# Allegro board RK_NVR_DEMO_RK3568_DDR4P216SD4_V12_20201221YWQ_final.brd (continued)
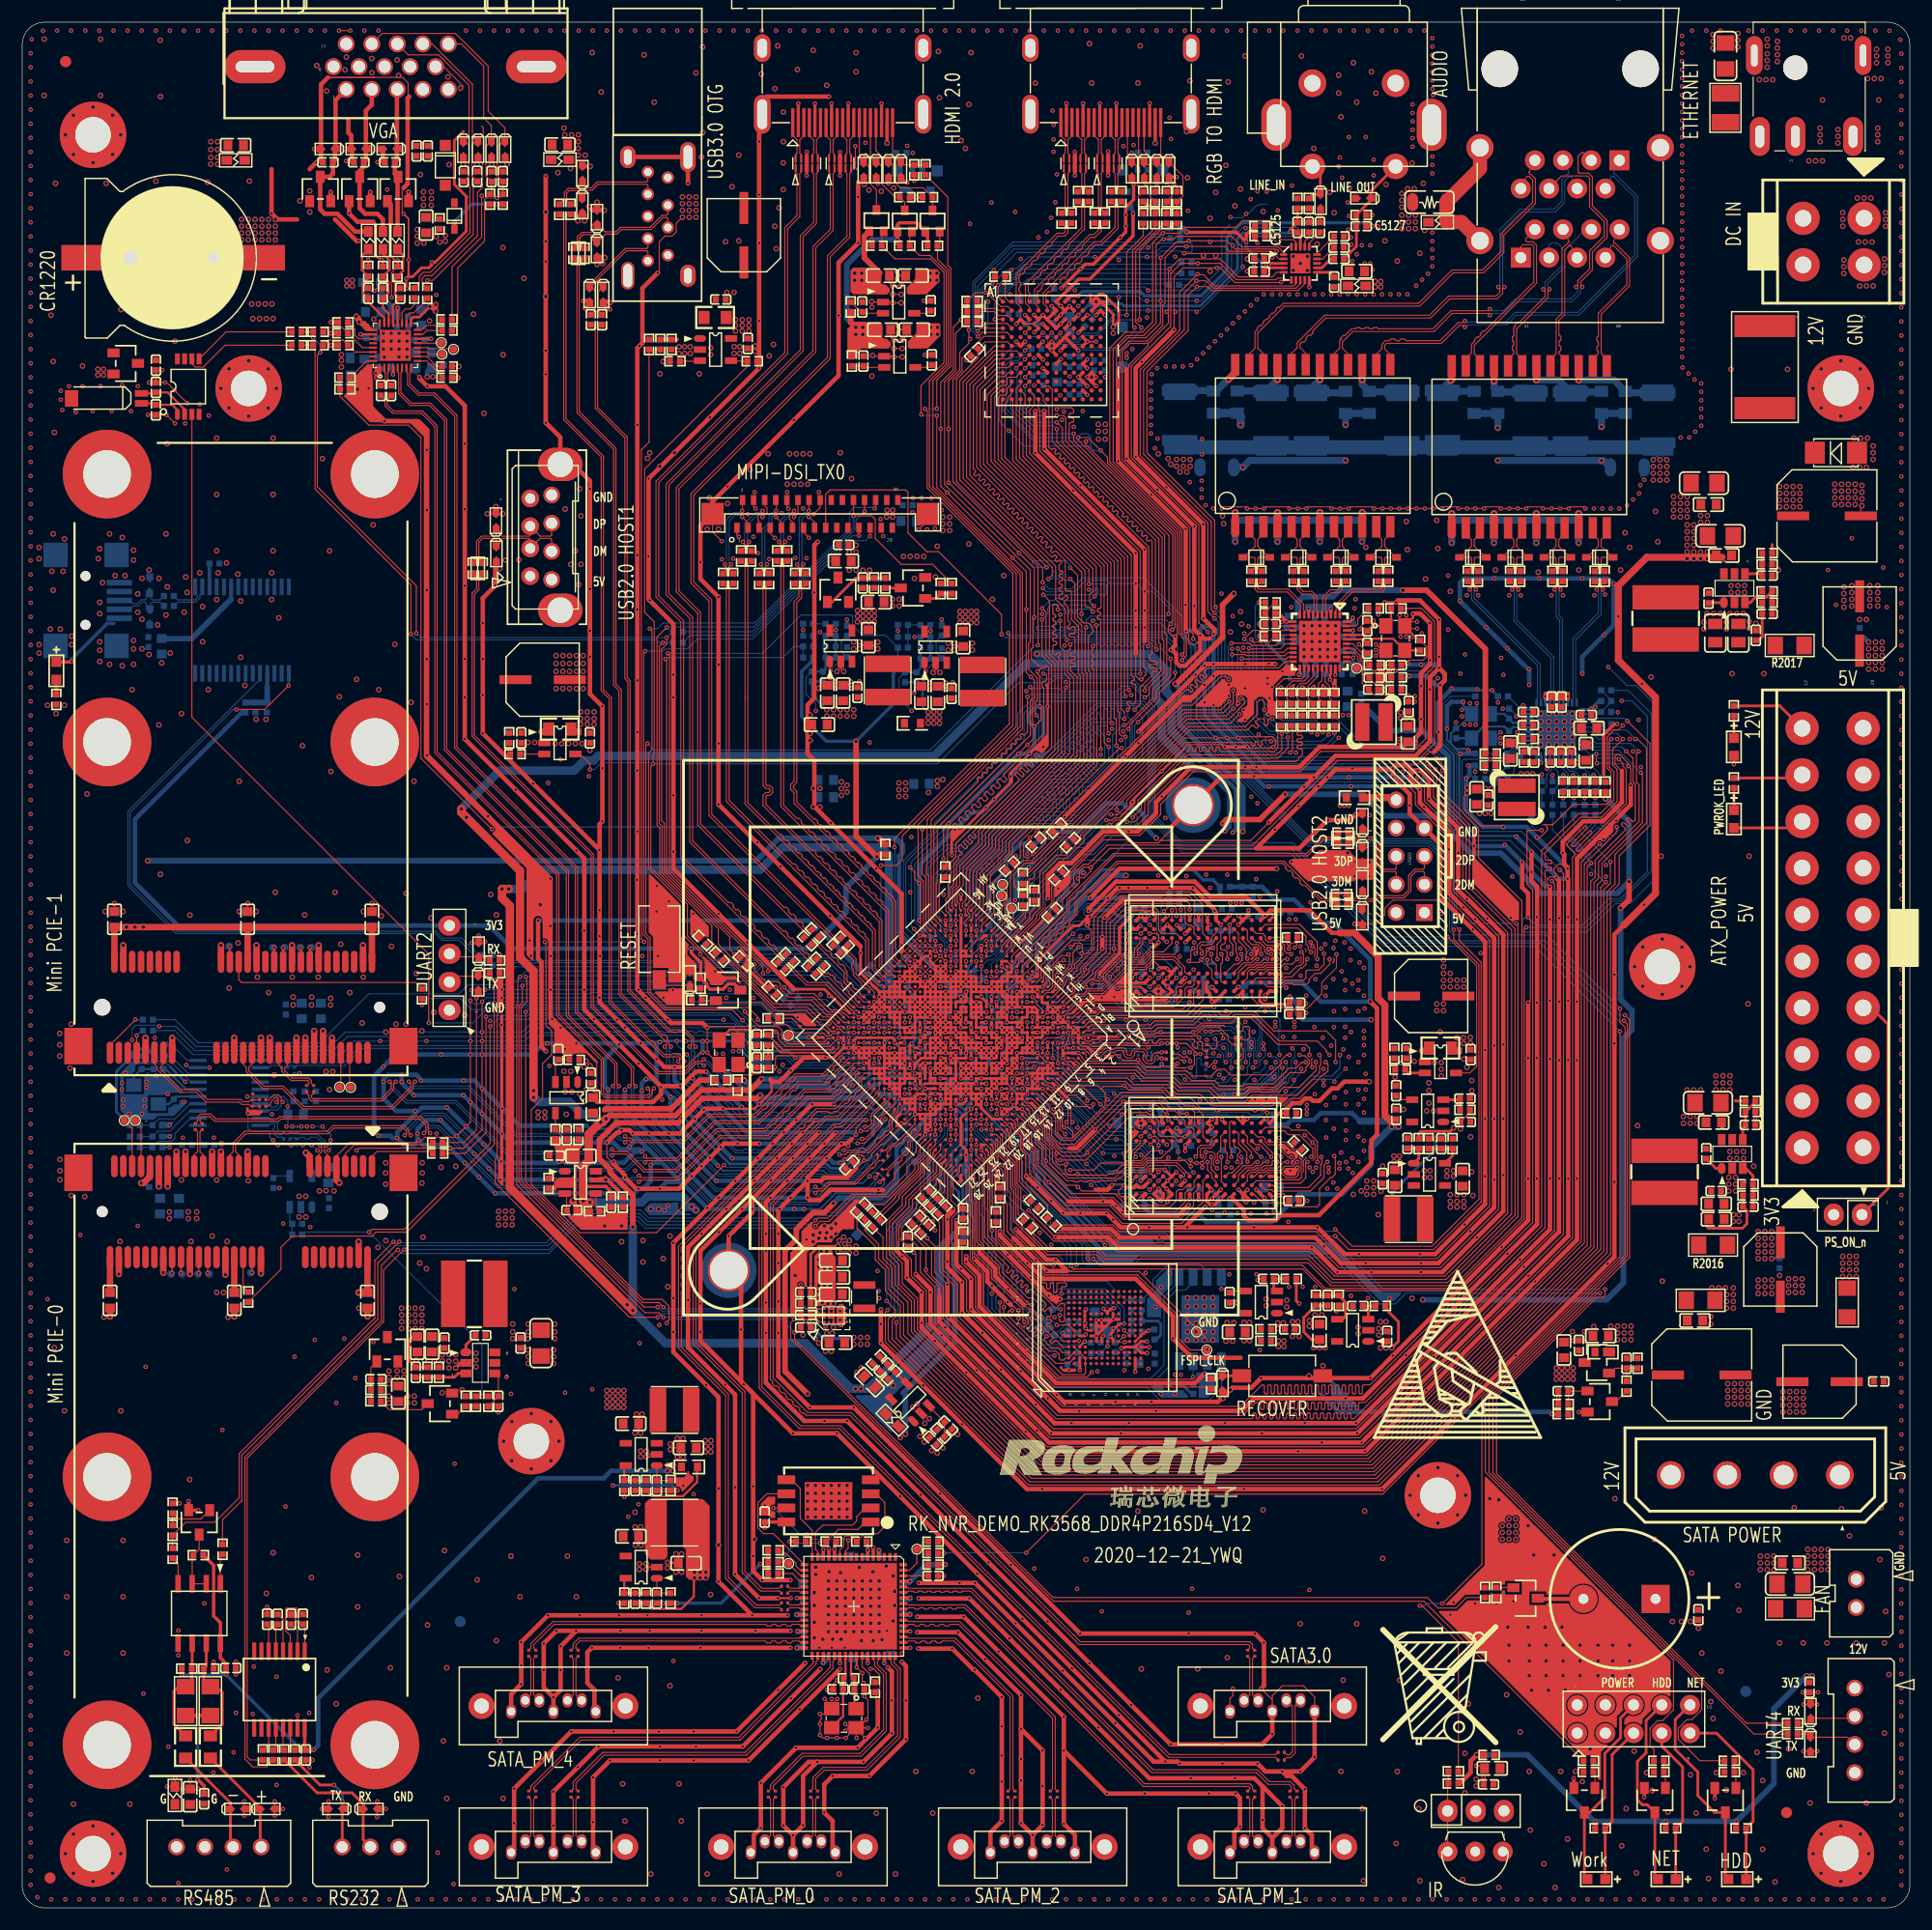
[diagram p0: board, top side]
## Routing (per net, layer and track width the routed paths; a pad name or vN(x,y) marks a point on that pad's centre or on a via; arc(x,y) is an arc through that point) (continued)
MIPI_DSI_TX0_CLKN/LVDS_TX0_CLKN: length 41.6
  TOP w0.097: R5209.2 66.76,119.02 66.76,101.16 67,100.92 67.27,100.92 67.37,100.82 67.37,100.63 67.27,100.53 67,100.53 66.76,100.29 66.76,99.36 77.22,88.9 77.22,84.86 77.98,84.1 78.46,84.1 U1000.AG15
MIPI_DSI_TX0_CLKP: length 7.3
  TOP w0.097: J5200.9 68.4,124.89 v1(67.92,125.37)
  TOP w0.102: v1(67.12,121.1) 66.98,120.96 66.98,120.61 R5210.2
  BOTTOM w0.097: v1(67.92,125.37) 67.77,125.53 67.63,125.53 67.53,125.43 67.53,124.74 66.92,124.12 66.92,121.31 v1(67.12,121.1)
MIPI_DSI_TX0_CLKP/LVDS_TX0_CLKP: length 41.8
  TOP w0.097: R5210.1 67.01,119.08 67.01,101.26 67.1,101.17 67.37,101.17 67.61,100.92 67.61,100.52 67.37,100.28 67.1,100.28 67.01,100.19 67.01,99.47 71.12,95.36 71.32,95.36 71.52,95.15 71.52,94.95 71.73,94.74 71.93,94.74 72.14,94.54 72.14,94.33 72.34,94.13 72.54,94.13 72.75,93.93 72.75,93.72 72.95,93.52 73.16,93.52 73.36,93.31 73.36,93.11 73.57,92.9 73.77,92.9 73.97,92.7 73.97,92.5 74.18,92.29 74.38,92.29 74.59,92.09 74.59,91.88 74.79,91.68 75,91.68 75.2,91.47 75.2,91.27 75.4,91.07 75.61,91.07 75.81,90.86 75.81,90.66 76.02,90.45 76.22,90.45 76.43,90.25 76.43,90.05 76.63,89.84 76.83,89.84 77.04,89.64 77.04,89.43 77.47,89 77.47,84.96 78.02,84.41 U1000.AH15
MIPI_DSI_TX0_D0N: length 7.8
  TOP w0.097: v1(63.32,121.1) 63.43,120.99 63.43,120.57 R5205.1 ; J5200.2 64.9,125.95 v1(64.87,125.93)
  BOTTOM w0.097: v1(64.87,125.93) 64.72,125.78 64.11,125.78 63.45,125.12 63.45,121.24 v1(63.32,121.1)
MIPI_DSI_TX0_D0N/LVDS_TX0_D0N: length 42.6
  TOP w0.097: R5205.2 63.45,119.07 63.45,117.35 63.45,99.72 76,87.17 76,84.26 77.09,83.18 77.54,83.18 U1000.AG17
MIPI_DSI_TX0_D0P: length 7.7
  TOP w0.097: J5200.3 65.4,124.85 v1(64.87,125.37)
  TOP w0.102: R5206.2 63.69,120.65 63.69,120.92 v1(63.87,121.1)
  BOTTOM w0.097: v1(64.87,125.37) 64.72,125.53 64.21,125.53 63.7,125.02 63.7,121.27 v1(63.87,121.1)
MIPI_DSI_TX0_D0P/LVDS_TX0_D0P: length 43
  TOP w0.097: U1000.AH17 77.13,83.49 76.25,84.37 76.25,87.27 75.96,87.57 75.96,87.77 75.75,87.98 75.55,87.98 75.34,88.18 75.34,88.38 75.14,88.59 74.94,88.59 74.73,88.79 74.73,89 74.53,89.2 74.32,89.2 74.12,89.41 74.12,89.61 73.91,89.81 73.71,89.81 73.51,90.02 73.51,90.22 73.3,90.43 73.1,90.43 72.89,90.63 72.89,90.84 72.69,91.04 72.48,91.04 72.28,91.25 72.28,91.45 72.08,91.65 71.87,91.65 71.67,91.86 71.67,92.06 71.46,92.27 71.26,92.27 71.05,92.47 71.05,92.67 70.85,92.88 70.65,92.88 70.44,93.08 70.44,93.29 70.24,93.49 70.03,93.49 69.83,93.7 69.83,93.9 69.62,94.1 69.42,94.1 63.7,99.83 63.7,117.35 63.7,119.02 R5206.1
MIPI_DSI_TX0_D1N: length 6.5
  TOP w0.097: v1(66.7,125.93) 66.29,125.52 66.29,125.07 66.4,124.96 J5200.5
  TOP w0.102: v1(64.94,123.14) 65.09,122.99 65.09,122.63 R5207.2
  BOTTOM w0.097: v1(66.7,125.93) 66.55,125.78 66.09,125.78 65.09,124.78 65.09,123.29 v1(64.94,123.14)
MIPI_DSI_TX0_D1N/LVDS_TX0_D1N: length 43.7
  TOP w0.097: R5207.1 65.13,121.05 65.13,109.12 65.13,109.12 65.13,99.51 76.61,88.03 76.61,84.57 77.57,83.61 78.03,83.61 U1000.AG16
MIPI_DSI_TX0_D1P: length 6.2
  TOP w0.097: v1(65.49,123.14) 65.35,122.99 65.35,122.65 R5208.1 ; v1(66.7,125.37) 67.11,125.78 67.11,126.19 66.9,126.39 J5200.6
  BOTTOM w0.097: v1(66.7,125.37) 66.55,125.53 66.19,125.53 65.34,124.68 65.34,123.29 v1(65.49,123.14)
MIPI_DSI_TX0_D1P/LVDS_TX0_D1P: length 44.1
  TOP w0.097: R5208.2 65.38,121.11 65.38,109.02 65.38,99.62 68.21,96.78 68.37,96.78 68.57,96.58 68.57,96.42 68.78,96.22 68.93,96.22 69.14,96.01 69.14,95.86 69.34,95.65 69.5,95.65 69.7,95.45 69.7,95.29 69.91,95.09 70.06,95.09 70.27,94.88 70.27,94.73 70.47,94.52 70.63,94.52 70.83,94.32 70.83,94.16 71.04,93.96 71.2,93.96 71.4,93.75 71.4,93.59 71.6,93.39 71.76,93.39 71.97,93.19 71.97,93.03 72.17,92.82 72.33,92.82 72.53,92.62 72.53,92.46 72.74,92.26 72.89,92.26 73.1,92.05 73.1,91.9 73.3,91.69 73.46,91.69 73.66,91.49 73.66,91.33 73.87,91.13 74.02,91.13 74.23,90.92 74.23,90.77 74.43,90.56 74.59,90.56 74.79,90.36 74.79,90.2 75,90 75.15,90 75.36,89.79 75.36,89.64 75.56,89.43 75.72,89.43 75.92,89.23 75.92,89.07 76.13,88.87 76.28,88.87 76.49,88.66 76.49,88.51 76.86,88.13 76.86,84.67 77.58,83.95 U1000.AH16
MIPI_DSI_TX0_D2N: length 6.4
  TOP w0.097: J5200.11 69.4,124.91 69.14,125.17 69.14,125.52 v1(69.55,125.93)
  TOP w0.102: v1(68.19,123.14) 68.34,122.99 68.34,122.63 R5211.2
  BOTTOM w0.097: v1(69.55,125.93) 69.39,125.78 69.03,125.78 68.35,125.09 68.35,123.3 v1(68.19,123.14)
MIPI_DSI_TX0_D2N/LVDS_TX0_D2N: length 41.8
  TOP w0.097: R5211.1 68.35,121.08 68.35,99.29 77.83,89.81 77.83,85.2 78.62,84.41 U1000.AG14
MIPI_DSI_TX0_D2P: length 5.8
  TOP w0.097: J5200.12 69.9,125.73 v1(69.55,125.37) ; R5212.1 68.6,122.65 68.6,122.99 v1(68.75,123.14)
  BOTTOM w0.097: v1(69.55,125.37) 69.39,125.53 69.13,125.53 68.6,124.99 68.6,123.28 v1(68.75,123.14)
MIPI_DSI_TX0_D2P/LVDS_TX0_D2P: length 42.4
  TOP w0.097: U1000.AH14 78.52,84.87 78.08,85.31 78.08,89.92 77.56,90.44 77.56,90.64 77.35,90.85 77.15,90.85 76.94,91.05 76.94,91.25 76.74,91.46 76.54,91.46 76.33,91.66 76.33,91.87 76.13,92.07 75.92,92.07 75.72,92.28 75.72,92.48 75.51,92.68 75.31,92.68 75.11,92.89 75.11,93.09 74.9,93.3 74.7,93.3 74.49,93.5 74.49,93.7 74.29,93.91 74.09,93.91 73.88,94.11 73.88,94.32 73.68,94.52 73.47,94.52 73.27,94.73 73.27,94.93 73.06,95.14 72.86,95.14 72.66,95.34 72.66,95.54 72.45,95.75 72.25,95.75 72.04,95.95 72.04,96.16 71.84,96.36 71.64,96.36 71.43,96.57 71.43,96.77 71.23,96.97 71.02,96.97 70.82,97.18 70.82,97.38 70.61,97.59 70.41,97.59 70.2,97.79 70.2,97.99 70,98.2 69.8,98.2 68.6,99.39 68.6,121.08 R5212.2
MIPI_DSI_TX0_D3N: length 7.4
  TOP w0.097: v1(69.82,121.1) 69.97,120.95 69.97,120.61 R5213.1 ; J5200.14 70.9,125.96 v1(70.87,125.93)
  BOTTOM w0.097: v1(69.82,121.1) 70.02,121.31 70.02,125.32 70.47,125.78 70.71,125.78 v1(70.87,125.93)
MIPI_DSI_TX0_D3N/LVDS_TX0_D3N: length 39.5
  TOP w0.097: R5213.2 69.98,119.05 69.98,118.19 69.55,117.75 69.55,101.56 69.24,101.25 69.24,100.82 69.55,100.52 69.55,99.57 78.44,90.67 78.44,85.52 78.8,85.15 78.8,85.15 79.08,84.87 U1000.AG13
MIPI_DSI_TX0_D3P: length 7.2
  TOP w0.097: J5200.15 71.4,124.88 70.91,125.37 v1(70.87,125.37)
  TOP w0.102: R5214.2 70.5,120.28 70.23,120.55 70.23,120.96 v1(70.37,121.1)
  BOTTOM w0.097: v1(70.87,125.37) 70.71,125.53 70.58,125.53 70.27,125.22 70.27,121.21 v1(70.37,121.1)
MIPI_DSI_TX0_D3P/LVDS_TX0_D3P: length 39.7
  TOP w0.097: U1000.AH13 78.98,85.33 78.69,85.62 78.69,90.78 78.45,91.02 78.45,91.17 78.24,91.38 78.09,91.38 77.88,91.58 77.88,91.74 77.68,91.94 77.52,91.94 77.32,92.15 77.32,92.3 77.11,92.51 76.96,92.51 76.75,92.71 76.75,92.87 76.55,93.07 76.39,93.07 76.19,93.28 76.19,93.44 75.98,93.64 75.83,93.64 75.62,93.84 75.62,94 75.42,94.21 75.26,94.21 75.06,94.41 75.06,94.57 74.85,94.77 74.69,94.77 74.49,94.98 74.49,95.13 74.28,95.34 74.13,95.34 73.92,95.54 73.92,95.7 73.72,95.9 73.56,95.9 73.36,96.11 73.36,96.26 73.15,96.47 73,96.47 72.79,96.67 72.79,96.83 72.59,97.03 72.43,97.03 72.23,97.24 72.23,97.39 72.02,97.6 71.87,97.6 71.66,97.8 71.66,97.96 71.46,98.16 71.3,98.16 69.79,99.67 69.79,100.62 69.49,100.92 69.49,101.15 69.79,101.46 69.79,117.65 70.23,118.09 70.23,119.05 R5214.1
PCIE30_AVDD0V9: length 11.1
  TOP w0.508: R1408.2 61.07,74.62 58.48,72.03 52.58,72.03 52.48,71.93
PCIE30_AVDD_0V9: length 21.1
  TOP w0.254: U1000.U20 v1(80.45,77.06) U1000.U21
  TOP w0.508: R1408.1 R1407.1 65.03,74.62 v2(65.07,74.57)
  BOTTOM w0.203: 79.29,76.52 79.29,76.77 79.83,77.31 80.16,77.31 80.42,77.06 v1(80.45,77.06)
  BOTTOM w0.254: v1(80.45,77.06) 80.61,76.89 C1412.1 ; 79.29,76.52 78.59,75.82 78.59,75.56 78.32,75.28 77.59,75.28 77.05,74.74 76.54,74.74 75.86,74.05 75.63,74.05 75.44,73.86
  BOTTOM w0.457: 75.44,73.86 75.2,73.62 72.91,73.62 72.55,73.98
  BOTTOM w0.508: 72.55,73.98 C1413.1 72.35,74.07 65.58,74.07 v2(65.07,74.57)
PCIE30_AVDD_1V8: length 4.6
  TOP w0.254: U1000.U22 v1(79.99,75.68)
  BOTTOM w0.254: 77.85,74.85 77.93,74.93 79.07,74.93 C1414.1 79.59,75.45 C1411.1 79.78,75.68 v1(79.99,75.68)
  BOTTOM w0.406: R1410.1 76.81,74.22 77.14,74.22 77.77,74.85 77.85,74.85
PCIE30_REFCLKN_IN: length 57.5
  TOP w0.097: U1000.AA25 v1(76.77,76.14)
  BOTTOM w0.097: 46.84,78.89 45.67,77.72 30.53,77.72 28.99,76.18 24.7,76.18 R8528.1 24.38,76.18 24.1,76.18 R8526.2 ; v1(76.77,76.14) 76.77,76.02 76.69,75.94 76.19,75.94 76.05,75.79 75.64,75.79 75.53,75.91 72.88,75.91 72.59,76.2 69.55,76.2 68.94,76.81 66.09,76.81 66.09,76.81
  BOTTOM w0.102: 46.84,78.89 51.68,78.89 51.84,79.04 52.14,79.04 52.29,78.89 52.6,78.89 52.75,79.04 53.06,79.04 53.21,78.89 53.51,78.89 53.67,79.04 53.97,79.04 54.12,78.89 54.43,78.89 54.58,79.04 54.89,79.04 55.04,78.89 55.34,78.89 55.49,79.04 55.8,79.04 55.95,78.89 56.26,78.89 56.41,79.04 56.71,79.04 56.87,78.89 57.17,78.89 57.32,79.04 57.63,79.04 57.78,78.89 58.09,78.89 58.24,79.04 58.54,79.04 58.7,78.89 59,78.89 59.15,79.04 59.46,79.04 59.61,78.89 59.91,78.89 60.07,79.04 60.37,79.04 60.52,78.89 60.83,78.89 60.98,79.04 61.29,79.04 61.44,78.89 64,78.89 66.09,76.81
PCIE30_REFCLKP_IN: length 57.1
  TOP w0.097: U1000.Y25 v1(77.23,76.6)
  BOTTOM w0.097: 46.94,78.64 46.94,78.64 45.77,77.48 30.63,77.48 29.09,75.93 24.7,75.93 R8529.1 24.38,75.93 24.1,75.93 R8525.2 ; v1(77.23,76.6) 77.13,76.5 77.13,76.03 76.79,75.69 76.3,75.69 76.15,75.54 75.54,75.54 75.42,75.66 72.78,75.66 72.49,75.95 69.44,75.95 68.83,76.56 66.09,76.56 65.98,76.56 65.92,76.62 65.92,76.62 65.91,76.63
  BOTTOM w0.102: 65.91,76.63 63.9,78.64 46.94,78.64
PCIE30_RESREF: length 0.9
  TOP w0.254: U1000.U19 v1(81.36,77.98)
  BOTTOM w0.254: R1406.1 81.47,77.87 v1(81.36,77.98)
PCIE30_RX0N: length 66.5
  TOP w0.102: v1(34.46,69.65) 34.63,69.81 34.63,70 34.34,70.29 28.07,70.29 27.57,69.78 20.15,69.78 19.22,68.85 19.22,68.16 19.51,67.87 J8500.23 ; U1000.AC27 74.5,76.6 72.38,74.47 69.9,74.47 66.37,70.93 62.34,70.93 58.99,67.58 56.3,67.58 v1(56.13,67.75)
  BOTTOM w0.102: v1(56.13,67.75) 55.97,67.58 55.34,67.58 54.41,66.65 43.06,66.65 38.08,71.63 36.12,71.63 34.63,70.14 34.63,69.81 v1(34.46,69.65)
PCIE30_RX0P: length 66.6
  TOP w0.102: v1(35.01,69.65) 34.85,69.81 34.85,70.09 34.43,70.51 27.98,70.51 27.48,70 20.06,70 19,68.94 19,68.16 18.71,67.87 J8500.25 ; U1000.AC28 74.36,76.14 72.47,74.25 70,74.25 69.86,74.12 69.86,73.88 69.65,73.66 69.41,73.66 69.19,73.45 69.19,73.2 68.97,72.99 68.73,72.99 66.46,70.71 62.43,70.71 59.08,67.36 56.3,67.36 v1(56.13,67.2)
  BOTTOM w0.102: v1(35.01,69.65) 34.85,69.81 34.85,70.05 36.21,71.41 37.99,71.41 42.97,66.43 54.5,66.43 55.43,67.36 55.97,67.36 v1(56.13,67.2)
PCIE30_RX1N: length 64.7
  TOP w0.102: J8501.23 19.91,76.06 20.2,75.77 20.2,75.35 21.7,73.85 23.43,73.85 25.26,72.02 33.37,72.02 35.22,73.87 35.22,74.31 v1(35.39,74.47) ; v1(54.32,69.56) 54.32,69.49 54.43,69.39 54.8,69.39 54.99,69.21 59.5,69.21 61.83,71.54 66.01,71.54 69.65,75.18 72.17,75.18 74.04,77.06 U1000.AD27
  BOTTOM w0.102: v1(54.32,69.56) 54.18,69.41 53.88,69.41 53.53,69.77 44.56,69.77 40.25,74.08 35.35,74.08 35.24,74.19 35.24,74.33 v1(35.39,74.47)
PCIE30_RX1P: length 64.6
  TOP w0.102: U1000.AD28 73.9,76.6 73.74,76.44 73.74,76.23 73.52,76.01 73.31,76.01 73.1,75.8 73.1,75.58 72.88,75.37 72.67,75.37 72.26,74.96 69.74,74.96 69.65,74.87 69.65,74.68 69.44,74.47 69.25,74.47 69.03,74.25 69.03,74.06 68.82,73.84 68.63,73.84 68.41,73.63 68.41,73.44 68.19,73.22 68,73.22 67.79,73.01 67.79,72.82 67.57,72.6 67.38,72.6 67.17,72.39 67.17,72.2 66.95,71.98 66.76,71.98 66.1,71.32 61.93,71.32 59.59,68.99 54.9,68.99 54.71,69.17 54.44,69.17 54.33,69.07 54.33,69.01 54.33,69.01 v1(54.32,69.01) ; v1(34.84,74.47) 35,74.31 35,73.96 33.27,72.24 25.35,72.24 23.52,74.07 21.79,74.07 20.42,75.44 20.42,75.77 20.71,76.06 J8501.25
  BOTTOM w0.102: v1(54.32,69.01) 54.14,69.19 53.79,69.19 53.43,69.55 44.47,69.55 40.15,73.86 35.25,73.86 35.02,74.09 35.02,74.28 v1(34.84,74.47)
PCIE30_TX0_N: length 3.5
  TOP w0.102: J8500.31 16.31,67.87 16.02,68.16 16.02,69.94 C8500.2
PCIE30_TX0_P: length 3.5
  TOP w0.102: J8500.33 15.51,67.87 15.8,68.16 15.8,69.94 C8501.2
PCIE30_TX0N: length 69.1
  TOP w0.102: U1000.AA27 75.42,75.68 72.9,73.15 70.76,73.15 67.22,69.61 62.85,69.61 59.06,65.82 55.74,65.82 v1(55.56,66) ; C8500.1 16.02,70.9 16.02,71.19 16.15,71.32 16.92,71.32 17.34,70.9 23.1,70.9 23.31,71.1 35.82,71.1 36.37,70.56 36.37,70 v1(36.2,69.83)
  BOTTOM w0.102: v1(55.56,66) 55.4,65.84 54.91,65.84 54.2,65.13 42.93,65.13 37.55,70.51 36.62,70.51 36.37,70.26 36.37,70 v1(36.2,69.83)
PCIE30_TX0P: length 69.2
  TOP w0.102: U1000.AA28 75.27,75.22 75.04,74.99 75.04,74.79 74.83,74.57 74.63,74.57 74.41,74.36 74.41,74.16 74.2,73.95 74,73.95 73.79,73.73 73.79,73.53 73.57,73.32 73.37,73.32 72.99,72.93 70.85,72.93 67.31,69.39 62.94,69.39 59.15,65.6 55.71,65.6 v1(55.56,65.45) ; v1(36.76,69.83) 36.59,70 36.59,70.65 35.92,71.32 23.22,71.32 23.01,71.12 17.43,71.12 17.01,71.54 16.06,71.54 15.8,71.28 15.8,70.9 C8501.1
  BOTTOM w0.102: v1(55.56,65.45) 55.4,65.62 55,65.62 54.29,64.9 42.84,64.9 37.46,70.29 36.71,70.29 36.59,70.17 36.59,70 v1(36.76,69.83)
PCIE30_TX1_N: length 5
  TOP w0.102: C8507.2 25.84,74.33 25.84,74.47 25.74,74.57 24.23,74.57 23.4,75.41 23.4,75.7 23.11,75.99 J8501.31
PCIE30_TX1_P: length 5
  TOP w0.102: C8508.2 26.06,74.33 26.06,74.56 25.83,74.8 24.32,74.8 23.62,75.5 23.62,75.7 23.91,75.99 J8501.33
PCIE30_TX1N: length 59.4
  TOP w0.102: v1(33.66,74.47) 33.46,74.27 33.46,73.74 32.44,72.73 26.07,72.73 25.84,72.96 25.84,73.22 25.63,73.43 C8507.1 ; v1(53.14,68.38) 53.14,68.33 53.29,68.17 54.51,68.17 56.12,66.57 58.89,66.57 62.54,70.22 66.86,70.22 70.4,73.76 72.59,73.76 74.96,76.14 U1000.AB27
  BOTTOM w0.102: v1(33.66,74.47) 33.49,74.31 33.49,73.95 34.68,72.76 39.1,72.76 43.69,68.17 52.88,68.17 53.09,68.38 v1(53.14,68.38)
PCIE30_TX1P: length 59.1
  TOP w0.102: v1(33.11,74.47) 33.24,74.35 33.24,73.83 32.35,72.95 26.16,72.95 26.06,73.05 26.06,73.22 26.26,73.43 C8508.1 ; v1(53.14,67.82) 53.14,67.85 53.24,67.95 54.42,67.95 56.02,66.34 58.98,66.34 62.64,70 66.96,70 67.6,70.64 67.75,70.64 67.96,70.86 67.96,71.01 68.18,71.23 68.33,71.23 68.55,71.44 68.55,71.59 68.76,71.81 68.91,71.81 69.13,72.02 69.13,72.17 69.34,72.39 69.49,72.39 69.71,72.6 69.71,72.76 69.92,72.97 70.08,72.97 70.29,73.19 70.29,73.34 70.49,73.54 72.68,73.54 73.02,73.88 73.22,73.88 73.43,74.09 73.43,74.3 73.65,74.51 73.85,74.51 74.07,74.73 74.07,74.93 74.28,75.14 74.48,75.14 74.7,75.36 74.7,75.56 74.81,75.68 U1000.AB28
  BOTTOM w0.102: v1(53.14,67.82) 53.09,67.82 52.96,67.95 43.6,67.95 39.01,72.54 34.59,72.54 33.27,73.86 33.27,74.31 v1(33.11,74.47)
PCIE30X1_CLKREQN_3V3_L: length 2.3
  TOP w0.102: J8501.7 v1(10.31,78.64)
  BOTTOM w0.102: R8504.2 10.75,79.08 v1(10.31,78.64)
PCIE30X1_CLKREQN_M0: length 70.7
  TOP w0.102: U1000.Y22 v1(78.15,77.52)
  BOTTOM w0.089: v1(78.15,77.52) 77.69,77.52 77.55,77.65 77.36,77.84 77.09,77.84 76.81,77.56 75.6,76.35 74.64,76.35 74.46,76.53 73.13,76.53 72.04,77.62 71.9,77.62
  BOTTOM w0.102: 71.9,77.62 66.44,77.62 65.78,78.28 65.57,78.28 64.15,79.7 46.32,79.7 45.15,78.54 29.31,78.54 28.05,77.28 15.54,77.28 13.75,79.08 R8504.1
PCIE30X1_PERSTN_3V3_L: length 18.5
  TOP w0.102: J8501.22 19.51,83.67 19.77,83.41 35.45,83.41 R8505.2
PCIE30X1_PERSTN_M0: length 43.5
  TOP w0.102: R8505.1 v1(36.02,81.38) ; v1(75.39,79.35) U1000.AE23
  BOTTOM w0.089: v1(75.39,79.35) 75.39,78.79 75.13,78.54 74.83,78.54 74.55,78.82 74.14,78.82 72.81,80.15
  BOTTOM w0.102: v1(36.02,81.38) 36.61,81.97 39.49,81.97 40.49,80.98 41.52,80.98 42.23,81.69 66.7,81.69 67.92,80.47 69.55,80.47 69.75,80.67 72.29,80.67 72.81,80.15
PCIE30X1_WAKEN_3V3_L: length 4.6
  TOP w0.102: v1(10.21,80.06) 7.91,77.76 J8501.1
  BOTTOM w0.102: R8503.2 v1(10.21,80.06)
PCIE30X1_WAKEN_M0: length 67.6
  TOP w0.102: U1000.AG23 74.47,80.27 74.13,80.62 73.95,80.62 73.64,80.94 72.83,80.94 71.37,82.4 69.24,82.4 v1(68.65,82.98)
  BOTTOM w0.102: R8503.1 13.77,80.06 15.84,77.99 26.83,77.99 31.24,82.4 39.37,82.4 40.18,83.21 43.74,83.21 44.04,83.51 68.12,83.51 v1(68.65,82.98)
PCIE30X2_CLKREQN_3V3_L: length 9.4
  TOP w0.102: J8500.7 29.11,66.86 29.11,67.97 29.92,68.78 36.79,68.78 R8500.2
PCIE30X2_CLKREQN_M0: length 51.8
  TOP w0.102: R8500.1 39.78,68.99 40.93,70.14 v1(40.93,81.99) ; U1000.AE24 v1(74.93,78.89)
  BOTTOM w0.089: 72.99,80.33 73.97,79.35
  BOTTOM w0.102: 72.99,80.33 72.34,80.98 69.65,80.98 69.44,80.77 68.12,80.77 66.5,82.39 56.74,82.39 56.64,82.5 55.94,82.5 55.81,82.37 52.4,82.37 52.27,82.5 51.26,82.5 51.16,82.39 41.33,82.39 v1(40.93,81.99) ; 73.97,79.35 74.3,79.02 74.81,79.02 v1(74.93,78.89)
PCIE30X2_PERSTN_3V3_L: length 3.3
  TOP w0.102: R8502.2 19.91,55.98 J8500.22
PCIE30X2_PERSTN_M0: length 82.4
  TOP w0.102: v1(42.54,83.64) 42.52,83.62 42.52,68.78 34.65,60.91 31.88,60.91 31.52,60.55 24.33,60.55 23.32,59.54 23.32,57.56 R8502.1 ; U1000.AD20 v1(77.23,80.27)
  BOTTOM w0.089: 75.04,82.39 75.32,82.11 75.85,82.11 77.09,80.87 77.09,80.41 v1(77.23,80.27)
  BOTTOM w0.102: 75.04,82.39 72.23,85.19 66.64,85.19 66.14,84.69 64.77,84.69 64.47,84.99 58.52,84.99 58.37,84.84 44.45,84.84 43.26,83.64 v1(42.54,83.64)
PCIE30X2_WAKEN_3V3_L: length 6.6
  TOP w0.102: R8501.2 36.82,68.17 31.95,68.17 31.51,67.73 J8500.1
PCIE30X2_WAKEN_M0: length 54.6
  TOP w0.102: v1(41.79,80.34) 41.79,69.88 39.91,68 R8501.1 ; U1000.AC21 v1(77.23,79.35)
  BOTTOM w0.089: 71.5,78.03 72.32,78.03 73.35,77 74.53,77 74.8,76.73 75.39,76.73 76.44,77.79 76.44,78.3 76.58,78.44 77.09,78.44 77.18,78.52 77.18,79.3 v1(77.23,79.35)
  BOTTOM w0.102: v1(41.79,80.34) 41.85,80.41 45.53,80.41 45.8,80.67 63.75,80.67 65.74,78.69 65.95,78.69 66.61,78.03 71.5,78.03
PCIE_PWREN_H_GPIO0_D4: length 88.8
  TOP w0.102: R8531.1 v1(41.43,46.11) R9605.1 ; v1(31.25,60.92) 31.49,61.16 34.42,61.16 42.16,68.91 v1(42.16,79.45) ; U1000.AB23 v1(76.77,77.98)
  BOTTOM w0.089: 71.7,77.83 72.26,77.83 73.3,76.78 74.47,76.78 74.72,76.54 75.46,76.54 76.77,77.85 v1(76.77,77.98)
  BOTTOM w0.102: 71.7,77.83 66.52,77.83 65.87,78.48 65.65,78.48 63.67,80.47 45.97,80.47 45.59,80.09 42.8,80.09 v1(42.16,79.45) ; v1(41.43,46.11) 41.43,50.73 v1(31.25,60.92) 25.45,60.92 R8514.1
PHY0_CLKOUT125: length 3.2
  BOTTOM w0.102: R6710.2 134.42,104.67 134.42,105.16 135.28,106.02 U6700.35
PHY0_LED0/CFG_EXT: length 1.8
  TOP w0.102: R6718.2 135.3,104.78 v1(135.25,104.82) 135.25,105.36 R6717.1
  BOTTOM w0.102: U6700.32 v1(135.25,104.82)
PHY0_LED1/CFG_LDO0: length 7.2
  BOTTOM w0.102: R6721.1 132.28,101.3 133.38,101.3 C6706.1 134.42,102.34 134.42,104.1 134.82,104.5 134.82,104.97 135.08,105.22 U6700.33
PHY0_LED2/CFG_LDO1: length 7.3
  TOP w0.102: v1(131.81,102.42) 131.81,102.55 131.83,102.57 R6720.2
  BOTTOM w0.102: R6719.1 v1(131.81,102.42) 131.86,102.47 133.36,102.47 133.79,102.91 C6705.1 134.22,103.4 134.22,104.19 134.62,104.59 134.62,105.07 135.17,105.62 U6700.34
PHY0_MDI0+: length 13.7
  TOP w0.097: R6700.1 130.58,119.25 130.58,118.99 v1(130.43,118.84)
  BOTTOM w0.097: v1(130.43,118.84) 130.58,118.69 130.58,117.93 136.53,111.99 136.53,109.06 136.45,108.99 U6700.1
PHY0_MDI0-: length 13.7
  TOP w0.097: R6704.1 130.83,119.25 130.83,118.99 v1(130.98,118.84)
  BOTTOM w0.097: v1(130.98,118.84) 130.83,118.69 130.83,118.04 136.78,112.09 136.78,109.06 136.85,108.99 U6700.2
PHY0_MDI1+: length 12.6
  TOP w0.097: R6702.1 134.39,119.25 134.39,118.99 v1(134.24,118.84)
  BOTTOM w0.097: v1(134.24,118.84) 134.42,118.66 134.42,115.97 137.73,112.67 137.73,109.06 137.65,108.99 U6700.4
PHY0_MDI1-: length 12.6
  TOP w0.097: R6703.1 134.64,119.25 134.64,118.99 v1(134.79,118.84)
  BOTTOM w0.097: v1(134.79,118.84) 134.67,118.71 134.67,116.07 137.98,112.77 137.98,109.06 138.05,108.99 U6700.5
PHY0_MDI2+: length 11.4
  TOP w0.097: v1(138.05,118.83) 138.2,118.99 138.2,119.25 R6705.1
  BOTTOM w0.097: v1(138.05,118.83) 138.23,118.65 138.23,116.38 138.53,116.09 138.53,109.06 138.45,108.99 U6700.6
PHY0_MDI2-: length 11.4
  TOP w0.097: v1(138.6,118.83) 138.45,118.99 138.45,119.25 R6706.1
  BOTTOM w0.097: v1(138.6,118.83) 138.48,118.71 138.48,116.48 138.78,116.19 138.78,109.06 138.85,108.99 U6700.7
PHY0_MDI3+: length 12.2
  TOP w0.097: v1(141.86,118.83) 142.01,118.99 142.01,119.25 R6707.1
  BOTTOM w0.097: U6700.9 139.65,108.99 139.73,109.06 139.73,114.43 142.01,116.71 142.01,118.68 v1(141.86,118.83)
PHY0_MDI3-: length 12.2
  TOP w0.097: R6709.1 142.26,119.25 142.26,118.99 v1(142.41,118.83)
  BOTTOM w0.097: U6700.10 140.05,108.99 139.98,109.06 139.98,114.32 142.26,116.61 142.26,118.68 v1(142.41,118.83)
PHY0_MDI_0+: length 5.7
  TOP w0.097: ED6704.2 129.59,121.74 ; 129.59,121.74 130.58,122.73 130.58,123.34 130.07,123.85 U6701.2 ; 129.59,121.74 130.49,121.74 130.58,121.64 130.58,120.82 R6700.2
PHY0_MDI_0-: length 5.7
  TOP w0.097: ED6704.1 131.83,121.74 ; 131.83,121.74 130.83,122.73 130.83,122.83 130.83,122.83 130.83,123.34 131.34,123.85 U6701.3 ; 131.83,121.74 130.93,121.74 130.83,121.64 130.83,120.82 R6704.2
PHY0_MDI_1+: length 5.7
  TOP w0.097: R6702.2 134.39,120.82 134.39,121.64 134.3,121.74 133.4,121.74 ; 133.4,121.74 134.39,122.73 134.39,123.34 133.88,123.85 U6701.5 ; 133.4,121.74 ED6703.2
PHY0_MDI_1-: length 5.7
  TOP w0.097: 135.64,121.74 134.64,122.73 134.64,122.83 134.64,122.83 134.64,123.34 135.15,123.85 U6701.6 ; 135.64,121.74 ED6703.1 ; 135.64,121.74 134.74,121.74 134.64,121.64 134.64,120.82 R6703.2
PHY0_MDI_2+: length 5.7
  TOP w0.097: 137.21,121.74 138.2,122.73 138.2,123.34 137.7,123.84 U6701.8 ; 137.21,121.74 ED6702.2 ; 137.21,121.74 138.11,121.74 138.2,121.64 138.2,120.82 R6705.2
PHY0_MDI_2-: length 5.7
  TOP w0.097: 139.45,121.74 ED6702.1 ; 139.45,121.74 138.45,122.73 138.45,122.83 138.45,122.83 138.45,123.34 138.97,123.86 U6701.9 ; 139.45,121.74 138.55,121.74 138.45,121.64 138.45,120.82 R6706.2
PHY0_MDI_3+: length 5.7
  TOP w0.097: ED6701.2 141.02,121.74 ; 141.02,121.74 142.01,122.73 142.01,123.34 141.51,123.84 U6701.11 ; 141.02,121.74 141.92,121.74 142.01,121.64 142.01,120.82 R6707.2
PHY0_MDI_3-: length 5.7
  TOP w0.097: 143.26,121.74 142.26,122.73 142.26,122.83 142.26,122.83 142.26,123.34 142.78,123.86 U6701.12 ; 143.26,121.74 142.36,121.74 142.26,121.64 142.26,120.82 R6709.2 ; 143.26,121.74 ED6701.1
PHY0_REG_OUT:
  vias: v2(135.08,102.21) v2(135.59,102.21) v2(136.09,102.21)
PHY0_RSTN: length 4.4
  BOTTOM w0.102: U6700.12 142.09,107.62 C6716.1 143.17,108.7 R6738.2 143.17,108.85 R6739.2
PHY0_RXCLK/PHYAD1: length 4.8
  BOTTOM w0.102: R6744.1 R6726.1 137.36,101.1 137.36,102.13 137.77,102.54 137.77,103.31 137.65,103.43 U6700.27
PHY0_RXD0/RXDLY: length 5.5
  TOP w0.102: R6729.2 v1(138.85,100.05)
  BOTTOM w0.102: U6700.25 138.45,103.05 139.29,102.21 139.29,101.1 R6728.1 v1(138.85,100.05) R6740.1
PHY0_RXD1/TXDLY: length 5.9
  TOP w0.102: R6731.2 v1(139.82,100.05)
  BOTTOM w0.102: U6700.24 138.85,103.06 139.45,102.46 139.87,102.46 140.25,102.09 140.25,101.09 R6730.1 v1(139.82,100.05) R6741.1
PHY0_RXD2/PLLOFF: length 6.6
  TOP w0.102: R6734.2 v1(140.78,100.05)
  BOTTOM w0.102: U6700.23 139.25,103.06 139.63,102.68 140.73,102.68 141.22,102.18 141.22,101.1 R6733.1 v1(140.78,100.05) R6742.1
PHY0_RXD3/PHYAD0: length 7.1
  TOP w0.102: R6725.2 141.74,100.06 v1(141.75,100.05)
  BOTTOM w0.102: U6700.22 139.65,103.07 139.84,102.88 141.46,102.88 142.18,102.17 142.18,101.09 R6724.1 v1(141.75,100.05) R6743.1
PHY0_RXDV/PHYAD2: length 4.7
  BOTTOM w0.102: R6745.1 R6727.1 138.38,101.15 138.38,102.41 138.05,102.74 U6700.26
PHY0_XTALIN: length 7.4
  BOTTOM w0.203: U6700.36 134.33,106.42 C6701.1 133.57,106.48 131.65,106.48 Y6700.3 R6701.1
PHY0_XTALOUT: length 5.7
  BOTTOM w0.203: R6708.2 131.83,108.08 Y6700.1 133.54,107.62 C6700.1 134.34,106.82 135.47,106.82 135.47,106.82 U6700.37
PHY1_CLKOUT125: length 3.1
  TOP w0.102: U6800.35 119.88,113.95 120.75,113.08 120.75,112.65 R6810.2
PHY1_LED0/CFG_EXT: length 1.9
  TOP w0.102: v1(119.94,112.67) 119.87,112.75 U6800.32
  BOTTOM w0.102: R6817.1 119.92,112.69 v1(119.94,112.67) 119.87,112.61 R6818.2
PHY1_LED1/CFG_LDO0: length 7
  TOP w0.102: U6800.33 119.97,113.15 120.35,112.78 120.35,112.43 120.75,112.03 120.75,110.4 C6806.1 121.82,109.32 122.89,109.32 R6821.1
PHY1_LED2/CFG_LDO1: length 7.2
  TOP w0.102: U6800.34 119.88,113.55 120.55,112.88 120.55,112.51 120.95,112.11 120.95,111.32 C6805.1 121.38,110.83 121.87,110.34 123.22,110.34 123.26,110.37 v1(123.36,110.37) R6819.1
  BOTTOM w0.102: R6820.2 123.34,110.5 123.36,110.47 v1(123.36,110.37)
PHY1_MDI0+: length 6.5
  TOP w0.097: R6809.1 122.76,119.25 122.76,118.86 122.51,118.62 119.85,118.62 118.64,117.4 118.64,116.99 118.72,116.91 U6800.1
PHY1_MDI0-: length 6.5
  TOP w0.097: R6807.1 122.51,119.25 122.51,118.96 122.41,118.86 119.75,118.86 118.39,117.5 118.39,116.99 118.32,116.91 U6800.2
PHY1_MDI1+: length 4.2
  TOP w0.097: U6800.4 117.52,116.91 117.44,116.99 117.44,118.05 117.95,118.57 118.66,118.57 118.95,118.86 118.95,119.25 R6806.1
PHY1_MDI1-: length 4.2
  TOP w0.097: R6805.1 118.7,119.25 118.7,118.96 118.55,118.82 117.85,118.82 117.19,118.16 117.19,116.99 117.12,116.91 U6800.5
PHY1_MDI2+: length 4.3
  TOP w0.097: R6803.1 115.14,119.25 115.14,118.95 115.41,118.67 116.2,118.67 116.64,118.22 116.64,116.99 116.72,116.91 U6800.6
PHY1_MDI2-: length 4.3
  TOP w0.097: R6802.1 114.89,119.25 114.89,118.84 115.31,118.42 116.09,118.42 116.39,118.12 116.39,116.99 116.32,116.91 U6800.7
PHY1_MDI3+: length 6.5
  TOP w0.097: U6800.9 115.52,116.91 115.44,116.99 115.44,117.52 114.1,118.86 111.42,118.86 111.33,118.96 111.33,119.25 R6801.1
